# KiCad board z80.kicad_pcb (continued)
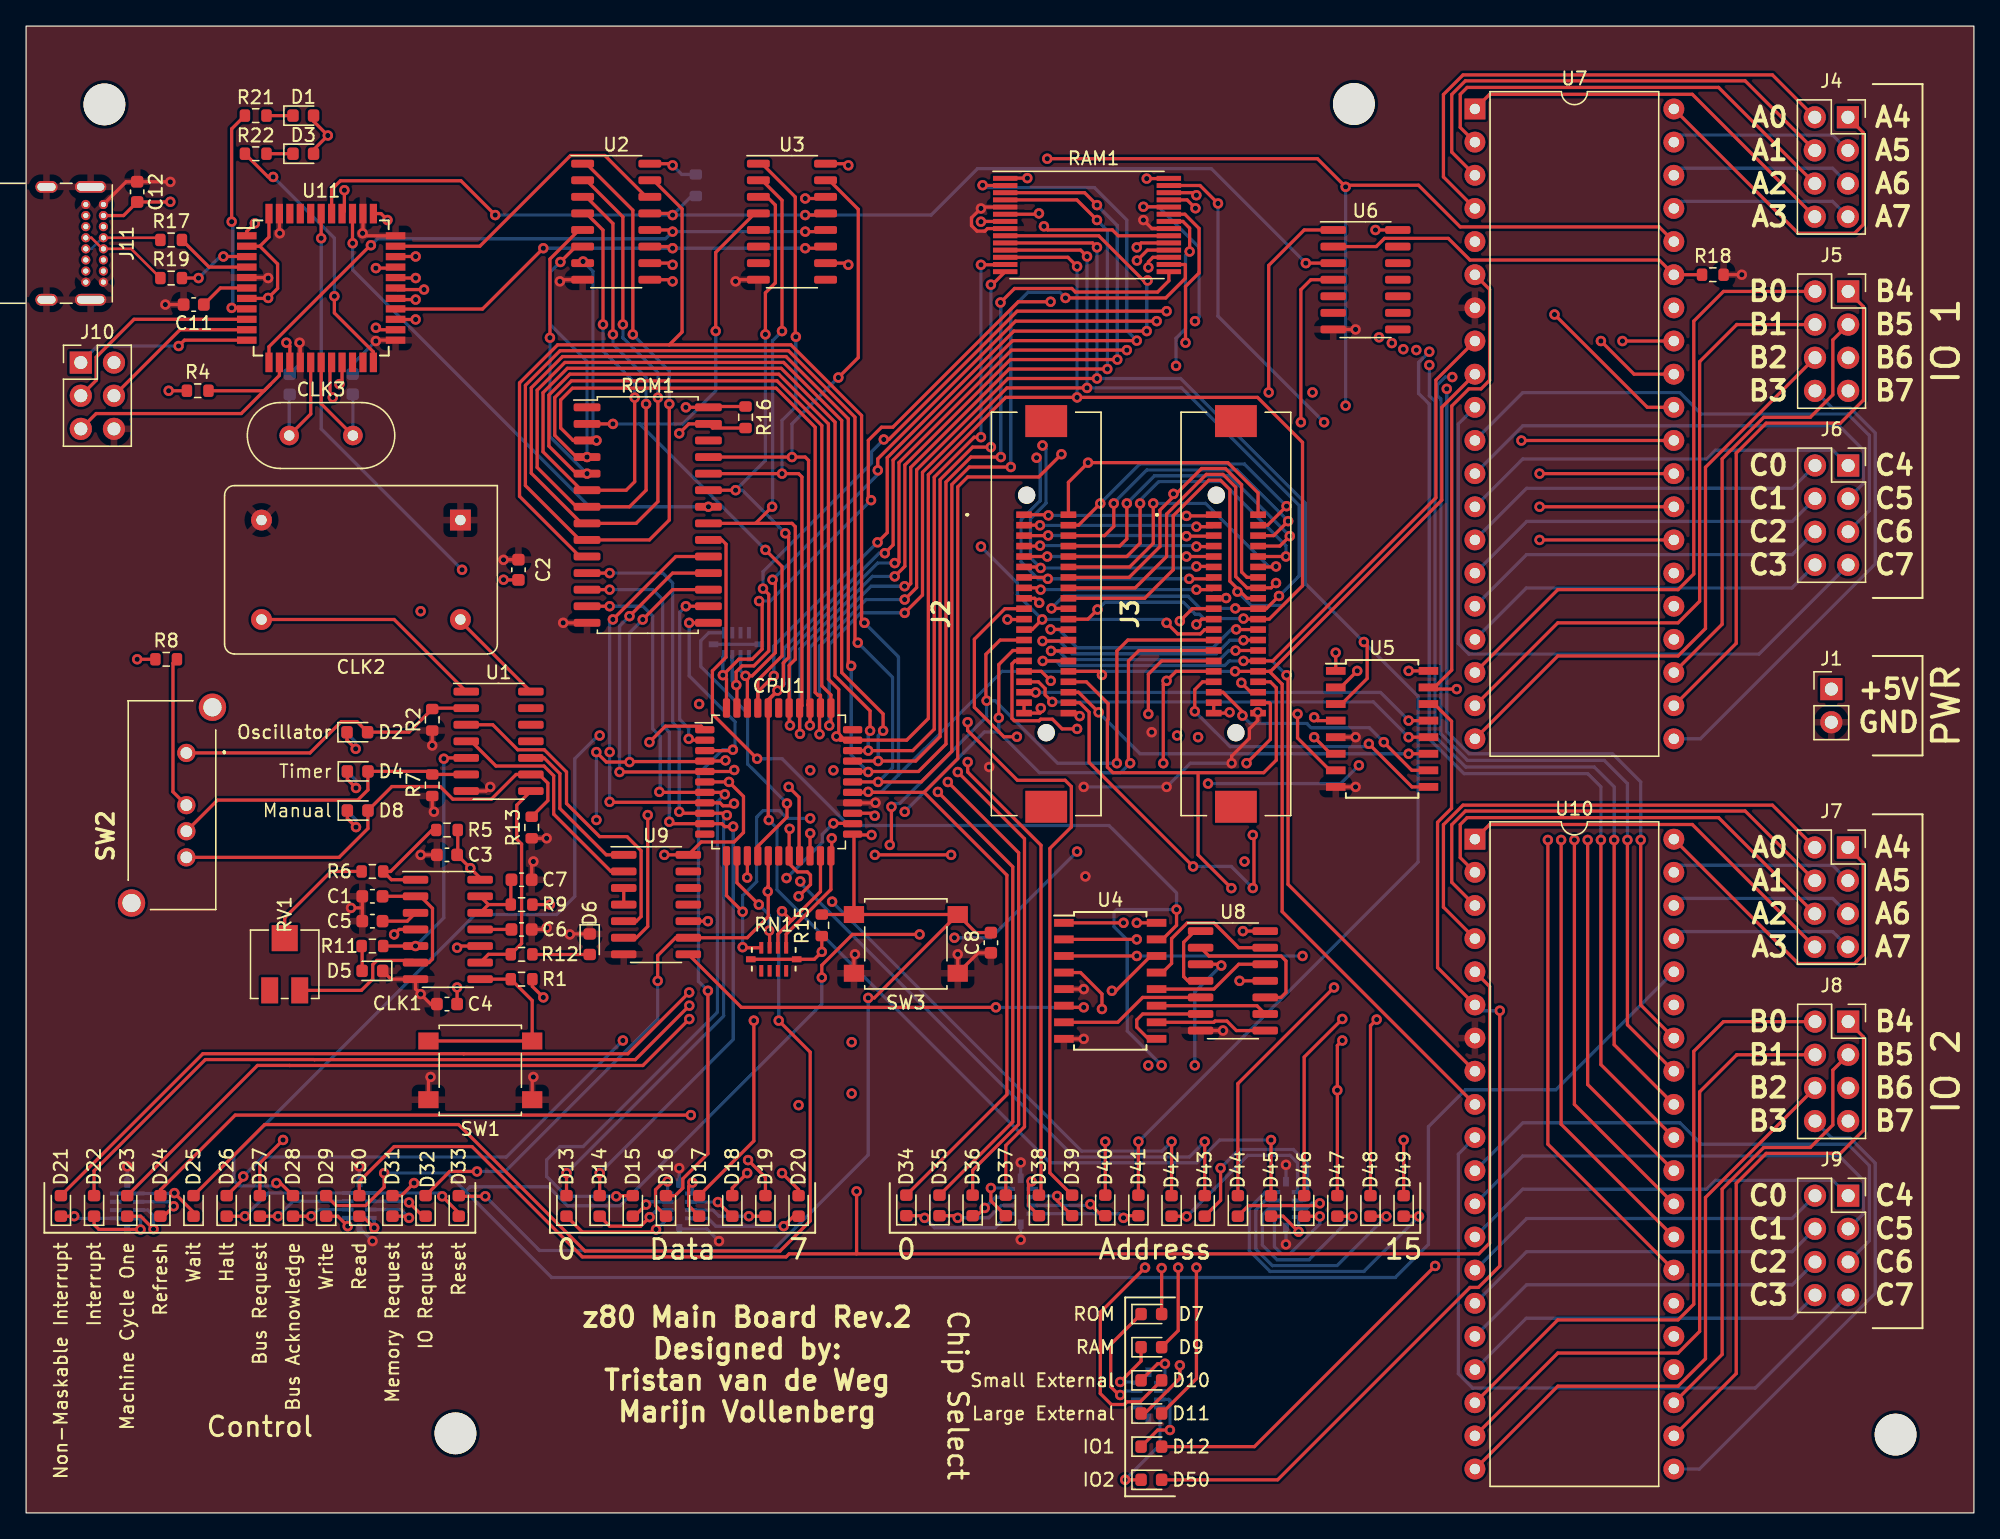
[diagram p0: board, top side]
## Routing (per net, layer and track width the routed paths; a pad name or vN(x,y) marks a point on that pad's centre or on a via; arc(x,y) is an arc through that point) (continued)
/D7: length 300.8
  F.Cu-Address w0.25: v1(78.32,76.43) 78.27,76.48 J2.1 ; v1(44.7,54.48) 44.74,54.45 51.96,54.45 ; RAM1.19 89.46,101.15 v1(89.66,100.96) ; U10.27 116.59,28.25 v1(116.59,51.56) ; U11.29 28.34,94.62 v1(29.84,94.62) ; v1(115.95,74.55) U7.27 ; v1(54.24,54.35) 54.07,54.18 53.38,54.18 53.16,54.41 CPU1.8 ; v1(57.91,26.04) 59.18,24.77 D20.2 ; v1(88.9,76.39) 90.9,76.39 ; v1(44.95,68.46) 49.78,73.28 ROM1.19
  In1.Cu-GND w0.25: v1(44.71,58.3) 44.71,58.29 42.52,56.1 42.52,36.86 54.07,25.31 57.19,25.31 v1(57.91,26.04) ; v1(54.24,54.35) 54.22,54.33 53.23,54.33 52.4,55.16 52.4,60.28 58.07,65.95 66.93,65.95 77.41,76.43 v1(78.32,76.43) ; v1(44.95,68.46) 44.69,68.46 28.31,84.84 28.31,93.08 v1(29.84,94.62) ; v1(103.65,90.07) 103.38,89.8 93.6,89.8 ; 93.6,89.8 93.6,97.02 v1(89.66,100.96) ; 93.6,89.8 91.29,87.49 91.29,80.54 88.9,78.15 v1(88.9,76.39) ; v1(115.95,74.55) 116.59,73.91 v1(116.59,51.56)
  In2.Cu-5V w0.25: v1(115.95,74.55) 112.29,78.21 110.64,78.21 103.65,85.2 v1(103.65,90.07)
  B.Cu-Data w0.25: v1(44.95,68.46) 44.7,68.21 44.7,58.55 ; v1(44.7,54.48) 44.7,58.55 ; 44.7,58.55 44.7,58.3 v1(44.71,58.3) ; v1(78.32,76.43) 88.86,76.43 v1(88.9,76.39)
/EXT-CS: length 83.4
  F.Cu-Address w0.25: J2.37 81.23,63.68 82.89,62.01 82.89,60.8 82.84,60.74 82.84,57.14 83.27,56.72 89.79,56.72 ; 89.79,56.72 89.79,50.42 v1(92.34,47.87) ; 89.79,56.72 94.82,56.72 95.78,57.68 95.78,63.23 95.33,63.68 J3.37 ; v1(91.57,41.94) 91.47,42.04 U8.3 ; D11.2 89.66,10.28 v1(89.66,18.8)
  In1.Cu-GND w0.25: v1(89.66,18.8) 89.66,23.11 89.54,23.24 v1(89.54,34.29)
  In2.Cu-5V w0.25: v1(91.57,41.94) 92.34,42.71 v1(92.34,47.87)
  B.Cu-Data w0.25: v1(91.57,41.94) 89.54,39.91 v1(89.54,34.29)
/EXT-CS2: length 90
  F.Cu-Address w0.25: J3.39 95.24,62.08 95.33,61.99 95.33,59.27 v1(93.5,57.44) ; J2.39 80.71,62.08 81.44,61.35 81.44,57.5 v1(89.41,49.53) ; v1(93.98,51.94) 94.07,51.85 94.07,47.97 v1(93.98,47.88) ; U8.11 v1(92.96,40.77) ; v1(85.73,18.8) 82.3,15.37 82.3,9.14 83.13,8.31 84.13,8.31 84.33,8.51 85.35,8.51 D10.2
  In1.Cu-GND w0.25: v1(85.73,18.8) 85.94,19.01 85.94,34.25 v1(85.97,34.29)
  In2.Cu-5V w0.25: v1(93.98,47.88) 93.94,47.84 93.94,41.75 v1(92.96,40.77) 92.45,40.77 85.97,34.29 v1(85.97,34.29) ; v1(93.98,51.94) 93.98,56.96 v1(93.5,57.44)
  B.Cu-Data w0.25: v1(89.41,49.53) 92.33,49.53 v1(93.98,47.88)
/EXT-IO1-CS: length 31.9
  F.Cu-Address w0.25: U5.13 v1(105.92,60.71) ; v1(77.34,62.87) 76.47,62.87
  B.Cu-Data w0.25: v1(105.92,60.71) 103.76,62.87 v1(77.34,62.87)
/EXT-IO2-CS: length 33
  F.Cu-Address w0.25: U5.12 v1(105.92,59.44) ; J2.17 77.55,63.68 78.07,63.17 78.07,62.69 v1(78.61,62.14)
  B.Cu-Data w0.25: v1(105.92,59.44) 103.21,62.14 78.61,62.14 v1(78.61,62.14)
/EXT-IO3-CS: length 29.5
  F.Cu-Address w0.25: J2.38 80.63,62.88 v1(82.17,61.34) ; U5.11 v1(105.92,58.17)
  B.Cu-Data w0.25: v1(82.17,61.34) 85.34,58.17 v1(105.92,58.17)
/EXT-IO4-CS: length 19.1
  F.Cu-Address w0.25: U5.10 106.16,56.9 104.01,59.05 v1(104.01,59.06) ; J3.18 91.69,62.88 93.19,61.38 v1(93.19,61.09)
  B.Cu-Data w0.25: v1(93.19,61.09) 93.78,60.49 98.12,60.49 98.45,60.16 102.91,60.16 v1(104.01,59.06)
/EXT-IO5-CS: length 23.8
  F.Cu-Address w0.25: v1(89.54,61.42) 89.54,63.08 90.14,63.68 J3.17 ; v1(102.87,58.93) 106.17,55.63 U5.9
  B.Cu-Data w0.25: v1(89.54,61.42) 92.24,58.71 102.65,58.71 v1(102.87,58.93)
/EXT-IO6-CS: length 12.2
  F.Cu-Address w0.25: 99.89,56.9 97.41,59.37 v1(97.41,61.21) ; v1(93.1,63.6) 93.83,62.88 J3.38
  In2.Cu-5V w0.25: v1(97.41,61.21) 95.02,63.6 v1(93.1,63.6)
/FstClk: length 18
  F.Cu-Address w0.25: CLK2.8 28.2,68.45 U1.1
/FstOUT: length 25.3
  F.Cu-Address w0.25: U9.5 46.76,45.34 47.12,45.7 47.12,50.74 46.04,51.82 43.94,51.82 41.4,54.36 41.4,56.77 39.7,58.47 37.66,58.47 35.75,60.39 U1.3
/HALT: length 54.2
  F.Cu-Address w0.25: CPU1.14 55.26,48.69 v1(55.24,48.68) ; v1(16.64,25.78) 16.64,25.58 D26.2
  In2.Cu-5V w0.25: v1(45.72,36.2) 46.23,36.2 49.53,39.5 49.53,43.66 54.55,48.68 v1(55.24,48.68)
  B.Cu-Data w0.25: v1(16.64,25.78) 18.12,27.27 36.79,27.27 v1(45.72,36.2)
/INT: length 138.5
  F.Cu-Address w0.25: v1(54.89,46.06) 53.66,47.3 CPU1.12 ; J2.14 75.6,66.08 74.52,65 v1(74.52,60.92) ; v1(54.89,43.34) 54.94,43.3 RN1.5 ; v1(50.81,38.87) 46.68,34.73 22.1,34.73 22.1,34.73 13.73,34.73 5.21,26.21 D22.2 ; v1(84.58,57.44) 84.45,57.57 84.45,65.28 85.26,66.08 J3.14
  In1.Cu-GND w0.25: v1(61.85,56.9) 61.85,55.56 64.74,52.67 66.26,52.67 v1(67.31,53.72) ; v1(60.07,53.21) v1(60.07,56.9)
  In2.Cu-5V w0.25: v1(60.07,56.9) v1(61.85,56.9) ; v1(54.89,43.34) 54.89,41.64 52.12,38.87 v1(50.81,38.87)
  B.Cu-Data w0.25: v1(54.89,43.34) v1(54.89,46.06) 54.89,47.3 55.97,48.38 55.97,53.3 56.48,53.81 57.7,53.81 58.29,53.21 v1(60.07,53.21) ; 74.52,59.83 73.41,59.83 67.31,53.73 v1(67.31,53.72) ; 74.52,59.83 v1(74.52,60.92) ; 74.52,59.83 77.63,56.72 83.87,56.72 84.58,57.43 v1(84.58,57.44)
/IO1-CS: length 108
  F.Cu-Address w0.25: v1(107.95,18.92) 94.1,5.08 D12.2 ; v1(109.6,63.12) 107.56,63.12 ; 107.89,63.25 109.22,64.58 109.22,84.81 110.53,86.12 111.46,86.12 112.12,86.78 112.12,93.74 U7.6
  In2.Cu-5V w0.25: v1(107.95,18.92) 109.6,20.57 v1(109.6,63.12)
/IO2-CS: length 79
  F.Cu-Address w0.25: v1(112.9,38.48) 112.9,18.91 111.27,17.28 110.62,17.28 95.88,2.54 D50.2 ; 107.89,61.98 109.21,60.66 109.21,53.99 108.14,52.92 108.14,41.78 U10.6
  B.Cu-Data w0.25: v1(112.9,38.48) 111.44,38.48
/IOREQ: length 64.7
  F.Cu-Address w0.25: v1(81.03,38.74) 79.64,38.74 ; v1(74.3,38.74) 54.8,38.74 U9.8 ; v1(98.68,60.96) 98.93,60.71 U5.4
  In1.Cu-GND w0.25: v1(98.68,60.96) 81.75,44.03 81.75,39.46 v1(81.03,38.74)
  B.Cu-Data w0.25: v1(74.3,38.74) v1(81.03,38.74)
/IORQ: length 109.3
  F.Cu-Address w0.25: J2.10 74.98,69.28 72.65,66.94 72.65,61.73 74.91,59.47 v1(75.91,59.47) ; D32.2 32.46,26.16 v1(34.54,26.16) ; 56.86,48.01 56.86,45.68 55.24,44.07 U9.9 49.76,44.07 48.39,42.7 v1(48.39,40.77) ; 56.86,48.01 CPU1.16 ; 56.86,48.01 56.82,47.97 v1(56.82,47.61) ; v1(88.39,68.33) 89.35,69.28 J3.10
  In1.Cu-GND w0.25: v1(56.82,47.61) 57.43,47.61 58.93,46.11 62.55,46.11 72.48,56.04 74.32,56.04 75.91,57.63 v1(75.91,59.47) ; v1(88.39,68.33) 88.18,68.11 v1(88.18,59.56)
  In2.Cu-5V w0.25: v1(88.18,59.56) 88.18,58.59 87.76,58.17 77.21,58.17 v1(75.91,59.47)
  B.Cu-Data w0.25: v1(34.54,26.16) 36.71,26.16 48.39,37.84 v1(48.39,40.77)
/M1: length 71.4
  F.Cu-Address w0.25: v1(50.81,37.84) 47.25,34.28 20.19,34.28 20.19,34.28 17.72,34.28 D23.2 ; v1(61.85,52.83) 63.3,52.83
  In2.Cu-5V w0.25: v1(58.26,48.64) 56.45,48.64 54.17,46.36 54.17,45.76 50.08,41.67 50.08,38.58 50.82,37.84 v1(50.81,37.84)
  B.Cu-Data w0.25: v1(58.26,48.64) 61,51.38 61,51.99 61.84,52.83 v1(61.85,52.83)
/ManClk: length 16.1
  F.Cu-Address w0.25: CLK1.9 35.42,42.8 37.14,42.8 37.96,43.62 37.96,51.25 37.59,51.61 37.59,54.23 U1.8
/ManOUT: length 11.8
  F.Cu-Address w0.25: U1.10 39.69,57.85 40.89,56.64 40.89,53.98 44.45,50.42 U9.1
/MISO: length 13.4
  F.Cu-Address w0.25: v1(11.68,89.41) 12.13,89.85 U11.11
  B.Cu-Data w0.25: J10.1 5.46,89.41 v1(11.68,89.41)
/MOSI: length 12.3
  F.Cu-Address w0.25: U11.10 11.79,90.65 J10.4
/MREQ: length 179.4
  F.Cu-Address w0.25: v1(82.42,38.61) 82.42,39.76 80.78,41.4 U4.4 ; D31.2 28.75,24.31 v1(29.72,25.27) ; v1(58.29,54.36) 58.29,53.32 56.06,51.08 CPU1.15 ; J3.11 90.07,68.48 v1(89.66,68.07) ; v1(65.02,50.42) v1(70.87,50.42) ; v1(75.18,68.45) 76.43,68.45 ; 99.95,58.17 v1(98.68,59.44)
  In1.Cu-GND w0.25: v1(89.66,68.07) 88.81,67.22 88.81,60.42 v1(89.79,59.44) 89.1,58.74 77.65,58.74 ; v1(82.42,38.61) 81.92,38.61 67.19,23.88 58.92,23.88 56.76,21.72 50.43,21.72 46.87,25.27 v1(29.72,25.27) ; v1(70.87,50.42) 70.87,51.96 77.65,58.74 ; 77.65,58.74 75.18,61.21 v1(75.18,68.45)
  In2.Cu-5V w0.25: v1(98.68,59.44) 97.99,58.74 90.48,58.74 v1(89.79,59.44) ; v1(70.87,50.42) 71.88,50.42 82.42,39.88 v1(82.42,38.61) ; v1(65.02,50.42) 64.05,51.4 64.05,51.66 61.35,54.36 v1(58.29,54.36)
  B.Cu-Data w0.25: v1(58.29,54.36) 55.28,57.37 55.28,61.25 51.69,64.85 51.69,66.83 52.3,67.44 RN2.2
/NMI: length 140.4
  F.Cu-Address w0.25: RN1.4 56.96,44.58 v1(56.92,44.61) ; D21.2 13.54,35.18 33.52,35.18 33.53,35.18 46.1,35.18 v1(50.8,39.88) ; v1(80.52,60.07) 79.38,60.07 78.63,60.81 77.73,60.81 77.61,60.7 75.7,60.7 75.53,60.87 75.53,65.05 75.75,65.28 J2.15 ; CPU1.13 54.46,48.29 v1(56.13,46.61) ; v1(85.98,61.21) 85.98,64.26 87,65.28 J3.15
  In1.Cu-GND w0.25: v1(56.92,44.61) 57.72,43.82 63.75,43.82 64.01,43.56 64.05,43.6 70.65,43.6 v1(71.12,44.07) ; v1(80.52,60.07) 84.84,60.07 v1(85.98,61.21)
  In2.Cu-5V w0.25: v1(80.52,60.07) 79.77,60.81 76.18,60.81 75.18,59.81 75.18,56.01 v1(80.52,50.67) ; v1(56.92,44.61) 55.14,44.61 50.8,40.28 v1(50.8,39.88)
  B.Cu-Data w0.25: v1(71.12,44.07) 73.91,44.07 v1(80.52,50.67) ; v1(56.13,46.61) 56.92,45.82 v1(56.92,44.61)
/PROG-OE: length 90
  F.Cu-Address w0.25: v1(35.94,99.44) 33.31,102.07 24.08,102.07 23.41,101.39 U11.38 ; v1(49.53,99.44) 49.4,99.57 U2.13 ; v1(98.04,95.76) U6.3 ; v1(59.69,99.44) 61.12,99.44
  B.Cu-Data w0.25: v1(98.04,95.76) 90.8,103 72.89,103 69.33,99.44 v1(59.69,99.44) v1(49.53,99.44) ; R20.1 50.99,100.9 v1(49.53,99.44) ; v1(49.53,99.44) v1(35.94,99.44)
/PROG-WR: length 41
  F.Cu-Address w0.25: R16.2 52.59,83.12 ROM1.27 50.76,83.44 v1(50.04,82.71) ; U11.37 24.38,99.73 v1(24.38,101.35)
  In2.Cu-5V w0.25: v1(50.04,82.71) 48.34,82.71 40.86,90.19 40.86,90.59 30.1,101.35 v1(24.38,101.35)
/ProgReset: length 22.8
  F.Cu-Address w0.25: J10.5 5.37,84.23 16.49,84.23 18.7,86.45 ; U11.13 19.41,87.15 18.7,86.45 ; 18.7,86.45 18.23,85.98 R4.2
/RAM1-CS: length 109.9
  F.Cu-Address w0.25: RAM1.20 89.94,101.7 v1(91.31,100.33) ; v1(88.27,18.8) 88.27,13.97 D9.2 ; 86.16,42.67 83.49,40.01 v1(83.18,40.01)
  In1.Cu-GND w0.25: v1(99.44,83.57) 99.44,56.01 v1(93.35,49.91)
  In2.Cu-5V w0.25: v1(88.27,18.8) 88.27,19.44 81.95,25.75 81.95,36.36 83.18,37.59 v1(83.18,40.01) 83.45,40.01 93.35,49.9 v1(93.35,49.91)
  B.Cu-Data w0.25: v1(99.44,83.57) 91.31,91.69 v1(91.31,100.33)
/RCLK: length 49.2
  F.Cu-Address w0.25: v1(59.69,98.17) 61.12,98.17 ; U2.12 49.4,98.3 v1(49.53,98.17) ; v1(26.42,97.13) 26.38,97.13 18.61,89.35 U11.12
  B.Cu-Data w0.25: v1(59.69,98.17) v1(49.53,98.17) 48.98,97.63 26.91,97.63 v1(26.42,97.13)
/RD: length 332
  F.Cu-Address w0.25: v1(76.71,102.27) 75.03,102.27 ; 58.46,49.75 59.1,49.11 59.85,49.11 60.09,48.87 60.09,48.15 59.19,47.24 v1(59.18,47.24) ; CPU1.18 58.46,52.38 v1(58.49,52.41) ; D30.2 25.53,25.4 28.19,28.07 34.16,28.07 42.61,19.62 58.22,19.62 58.46,19.85 63.63,19.85 ; J2.12 77.07,67.68 v1(77.85,68.46) ; U11.36 25.01,97.3 v1(25.02,97.28) ; 63.63,19.85 111.3,19.85 112.12,20.67 112.12,40.34 U10.5 ; 63.63,19.85 v1(63.63,24.64) ; v1(87.38,68.2) 88.23,67.35 89.96,67.35 90.29,67.68 J3.12
  In1.Cu-GND w0.25: v1(59.18,31.24) 59.18,29.08 v1(63.63,24.64) ; v1(51.56,61.98) 51.56,54.1 53.8,51.86 57.94,51.86 v1(58.49,52.41)
  In2.Cu-5V w0.25: 68.87,78.32 v1(73.15,74.04) ; 68.87,78.32 68.87,85.94 80.63,97.69 88.43,97.69 89.8,99.06 109.35,99.06 U7.5 ; 68.87,78.32 57.36,78.32 56.12,77.09 v1(52.27,77.09) 51.56,76.38 v1(51.56,61.98) ; v1(59.18,47.24) v1(59.18,31.24) ; 76.71,93.77 v1(76.71,102.27)
  B.Cu-Data w0.25: v1(25.02,97.28) 25.02,95.24 43.17,77.09 v1(52.27,77.09) ; v1(87.38,68.2) 87.12,68.46 v1(77.85,68.46) 75.95,70.36 75.95,71.25 v1(73.15,74.04)
/RFSH: length 83.5
  F.Cu-Address w0.25: v1(50.93,30.48) 16.02,30.48 10.29,24.75 D24.2 ; CPU1.25 64.82,53.61 v1(65.01,53.42)
  In2.Cu-5V w0.25: v1(65.01,53.42) 70.23,48.2 70.23,41.01 59.7,30.48 v1(50.93,30.48)
/ROM1-CS: length 97.3
  F.Cu-Address w0.25: v1(88.14,46.23) 88.14,45.02 87.06,43.94 ; v1(56.01,57.79) 52.58,61.21 52.58,64.52 53.63,65.56 53.63,74.22 53.3,74.55 ROM1.20 ; D7.2 v1(86.99,18.76)
  In1.Cu-GND w0.25: v1(86.99,18.76) v1(86.99,34.29)
  B.Cu-Data w0.25: v1(56.01,57.79) 57.92,57.79 63.04,52.67 82.97,52.67 88.14,47.5 v1(88.14,46.23) 83.57,46.23 83.35,46.01 83.35,44.91 84.36,43.9 84.36,36.92 v1(86.99,34.29)
/RST: length 155.2
  F.Cu-Address w0.25: SW3.2 72.76,44.46 C8.2 ; SW3.2 SW3.2 ; SW3.2 64.99,39.46 v1(64.52,39.46) ; SW3.2 63.42,51.9 ; SW3.2 R15.1 ; v1(91.93,70.1) 91,70.1 ; v1(35.18,24.26) 33.2,24.26 ; J2.9 77.27,70.08 v1(77.62,69.73) ; v1(95.2,85.85) 95.2,95.58 97.92,98.3 U6.1 ; v1(64.77,51.94) 63.38,51.94
  In1.Cu-GND w0.25: v1(95.2,85.85) 95.2,74 91.93,70.73 v1(91.93,70.1) 91.85,70.01 78.87,70.01 78.86,70.03 77.92,70.03 v1(77.62,69.73) 77.61,69.72 73.79,69.72 72.86,68.8 72.86,57.22 67.58,51.94 v1(64.77,51.94)
  B.Cu-Data w0.25: v1(35.18,24.26) 39.33,20.1 57.2,20.1 64.52,27.42 v1(64.52,39.46)
/RST-INV: length 86.9
  F.Cu-Address w0.25: U6.2 103.44,97.03 104.07,97.65 108.96,97.65 110.62,95.99 125.11,95.99 U7.35 R18.1
  In2.Cu-5V w0.25: U10.35 124.66,40.5 124.66,93.29 U7.35
/SER: length 23.7
  F.Cu-Address w0.25: U2.14 47.51,100.84 44.34,104 41.71,104 34.76,97.05 U11.32
/SPISCK: length 16.2
  F.Cu-Address w0.25: U11.9 8.27,91.45 5.37,88.55 5.37,86.77 J10.3
/SRCLK: length 36.5
  F.Cu-Address w0.25: v1(59.69,96.9) 61.12,96.9 ; v1(39.62,96.9) 34.96,92.24 28.32,92.24 U11.26 ; U2.11 49.4,97.03 v1(49.53,96.9)
  B.Cu-Data w0.25: v1(59.69,96.9) v1(49.53,96.9) v1(39.62,96.9)
/USB-D+: length 6.1
  F.Cu-Address w0.2: 10.29,97.54 10.12,97.7 J11.A6
  B.Cu-Data w0.2: J11.B6 5,96.85 5.85,97.7 J11.A6
/USB-D-: length 7
  F.Cu-Address w0.2: 10.29,94.62 8.05,96.85 J11.A7 5.85,96.85 5,97.7 J11.B7
/WAIT: length 145.6
  F.Cu-Address w0.25: J2.16 77.78,64.48 v1(78.5,63.75) ; 58.7,45.44 60.86,47.6 CPU1.21 ; 58.7,45.44 57.59,44.34 RN1.3 ; 58.7,45.44 58.57,45.44 v1(57.91,46.1) ; v1(57.66,37.72) 60.07,35.31 60.07,22.37 57.77,20.07 42.82,20.07 33.13,29.76 18.27,29.76 D25.2 ; v1(87.12,57.44) 87.12,63.5 v1(87.38,63.75) 88.1,64.48 J3.16
  In1.Cu-GND w0.25: v1(87.38,63.75) 86.2,64.93 79.68,64.93 v1(78.5,63.75) ; v1(57.91,46.1) 58.35,45.66 63.82,45.66 66.67,48.51 77.33,48.51 86.26,57.44 v1(87.12,57.44)
  B.Cu-Data w0.25: v1(57.91,46.1) 57.66,45.85 v1(57.66,37.72)
/WR: length 452.6
  F.Cu-Address w0.25: v1(60.96,41.02) 60.96,41.96 63.32,44.32 v1(68.45,44.32) ; D29.2 23.75,23.55 26.01,23.55 27.43,24.96 v1(27.43,26.04) ; v1(77.6,99.57) 77.53,99.5 RAM1.27 ; 59.22,50.38 59.22,54.83 v1(58.42,55.63) ; v1(83.57,57.44) 83.57,66.04 84.4,66.88 J3.13 ; J2.13 74.63,66.88 73.53,65.79 73.53,62.28 v1(73.59,62.23) ; v1(66.29,54.1) 66.29,51.31 v1(66.17,51.18) ; v1(78.23,103.76) 98.93,103.76 v1(101.09,101.6) 101.22,101.73 106.68,101.73 109.87,98.53 125.11,98.53 U7.36
  In1.Cu-GND w0.25: v1(83.57,57.44) 83.57,57.45 84.28,58.17 88.26,58.17 v1(90.55,55.88) ; v1(101.09,84.84) 101.09,58.29 v1(102.11,57.28) 109.85,57.28 125.66,41.46 ; U7.36 127.36,96.28 127.36,42.59 U10.36
  In2.Cu-5V w0.25: 66.26,51.53 68.45,49.34 v1(68.45,44.32) ; 66.26,51.53 66.26,51.28 v1(66.17,51.18) ; 66.26,51.53 65.1,52.69 64.71,52.69 61.78,55.63 v1(58.42,55.63) ; v1(78.23,103.76) 78.23,100.2 v1(77.6,99.57)
  B.Cu-Data w0.25: v1(27.43,26.04) 32.26,26.04 33.66,24.64 ; v1(60.96,41.02) 60.96,38.98 45.51,23.53 41.49,23.53 40.04,24.98 34,24.98 33.66,24.64 ; U10.36 117.2,32.43 110.28,32.43 107.44,29.59 107.44,20.57 104.9,18.03 40.26,18.03 33.66,24.64 ; v1(101.09,84.84) v1(101.09,101.6) ; v1(90.55,55.88) 100.71,55.88 v1(102.11,57.28) ; v1(83.57,57.44) 79.03,57.44 74.24,62.23 v1(73.59,62.23) 73.59,61.01 66.93,54.36 66.55,54.36 v1(66.29,54.1)
Clock: length 21.2
  F.Cu-Address w0.25: CPU1.1 51.72,60.28 48.98,60.28 v1(47.75,59.06) ; v1(47.63,53.47) 47.63,44.93 46.76,44.07 U9.6
  In1.Cu-GND w0.25: v1(47.63,53.47) 47.63,58.93 v1(47.75,59.06)
Net-(CLK1A-CV): length 2.8
  F.Cu-Address w0.25: CLK1.3 29.2,45.34 C5.1
Net-(CLK1A-DIS): length 8.1
  F.Cu-Address w0.25: CLK1.1 27.99,48.51 R6.2 27.93,49.15 31.11,52.32 R5.2
Net-(CLK1A-THR): length 19.4
  F.Cu-Address w0.25: CLK1.6 30.86,42.16 31.14,42.44 31.14,46.32 30.21,47.24 ; 29.67,42.33 26.87,42.33 26.56,42.01 26.56,40.91 25.69,40.04 RV1.1 ; CLK1.2 C1.1
Net-(CLK1B-CV): length 2.4
  F.Cu-Address w0.25: C6.1 CLK1.11
Net-(CLK1B-DIS): length 5.4
  F.Cu-Address w0.25: 35.42,46.61 CLK1.12 ; 35.42,46.61 CLK1.13 ; 35.42,46.61 37.14,46.61 37.14,48.46
Net-(CLK1B-TR): length 15.7
  F.Cu-Address w0.25: CLK1.8 37.14,40.89 38.77,39.26 SW1.2 SW1.2
Net-(D1-K): length 2
  F.Cu-Address w0.25: R21.1 D1.1
Net-(D2-A): length 23.4
  F.Cu-Address w0.25: SW2.1 21.75,58.23 24.14,60.62 25.36,60.62 D2.2 29.34,59.82 R2.2 ; U1.2 31.18,61.66
Net-(D2-K): length 3.1
  F.Cu-Address w0.25: v1(25.25,58.54) 24.59,59.21 D2.1
  B.Cu-Data w0.25: v1(25.25,58.54) 25.25,59.07 24.55,59.77
Net-(D3-K): length 2
  F.Cu-Address w0.25: D3.1 R22.1
Net-(D4-A): length 23.9
  F.Cu-Address w0.25: 30.88,56.82 D4.2 26.19,55.4 25.41,54.62 14.66,54.62 SW2.3 ; R7.2 U1.6
Net-(D4-K): length 3.1
  F.Cu-Address w0.25: D4.1 24.61,56.21 v1(25.27,55.55)
  B.Cu-Data w0.25: v1(25.27,55.55) 25.27,56.12 R10.1
Net-(D5-A): length 1.9
  F.Cu-Address w0.25: D5.2 25.74,43.4
Net-(D6-A): length 4.4
  F.Cu-Address w0.25: D6.2 38.8,42.79
Net-(D7-K): length 8.9
  F.Cu-Address w0.25: D7.1 83.1,12.91 83.1,9.67 83.73,9.03 v1(83.82,9.03)
  B.Cu-Data w0.25: v1(83.82,9.03) 84.12,9.33 RN8.4
Net-(D8-A): length 34.7
  F.Cu-Address w0.25: U1.9 37.54,56.58 35.64,54.68 32.69,54.68 31.72,55.65 28.03,55.65 D8.2 26.19,52.43 23.98,50.23 SW2.4 ; 39.31,56.58 39.97,55.92 39.97,54.57 R13.2
Net-(D8-K): length 3.1
  F.Cu-Address w0.25: v1(25.27,52.55) 24.61,53.21 D8.1
  B.Cu-Data w0.25: v1(25.27,52.55) 25.27,53.12 R14.1
Net-(D9-K): length 4.6
  F.Cu-Address w0.25: D9.1 85.42,11.63 v1(83.82,10.03)
  B.Cu-Data w0.25: RN8.5 85.03,10.03 v1(83.82,10.03)
Net-(D10-K): length 4
  F.Cu-Address w0.25: v1(87.25,11.43) 86.69,11.43 D10.1
  B.Cu-Data w0.25: v1(87.25,11.43) 87.25,10.36 RN8.6
Net-(D11-K): length 7.8
  F.Cu-Address w0.25: 85.71,7.62 88.39,10.3 v1(88.39,11.3)
  B.Cu-Data w0.25: v1(88.39,11.3) 88.39,10.25 87.47,9.33 RN8.7
Net-(D12-K): length 5.8
  F.Cu-Address w0.25: D12.1 86.69,6.35 v1(87.63,6.35)
  B.Cu-Data w0.25: v1(87.63,6.35) 87.63,8.62 87.56,8.7 RN8.8
Net-(D13-K): length 8.7
  F.Cu-Address w0.25: v1(48.26,21.72) 48.06,21.52 42.61,21.52 D13.1
  B.Cu-Data w0.25: v1(48.26,21.72) 48.3,21.72 RN3.2
Net-(D14-K): length 6
  F.Cu-Address w0.25: D14.1 44.7,21.97 47.08,21.97 v1(47.77,22.66)
  B.Cu-Data w0.25: v1(47.77,22.66) 48.31,23.2 RN3.3
Net-(D15-K): length 3
  F.Cu-Address w0.25: 46.61,22.73 v1(47.5,23.62)
  B.Cu-Data w0.25: RN3.4 47.71,23.84 v1(47.5,23.62)
Net-(D16-K): length 4.5
  F.Cu-Address w0.25: D16.1 48.22,23.53 48.22,24.76 48.86,25.4 v1(49.15,25.4)
  B.Cu-Data w0.25: v1(49.15,25.4) 49.15,24.48
Net-(D17-K): length 3.9
  F.Cu-Address w0.25: D17.1 50.76,23.53 50.76,25.02 v1(51.04,25.31)
  B.Cu-Data w0.25: RN3.6 51.04,24.6 v1(51.04,25.31)
Net-(D18-K): length 3.6
  F.Cu-Address w0.25: 54.08,22.73 v1(53,23.82)
  B.Cu-Data w0.25: v1(53,23.82) 50.94,23.82
Net-(D19-K): length 5.9
  F.Cu-Address w0.25: D19.1 v1(55.37,22.73)
  B.Cu-Data w0.25: RN3.8 52.62,23.2 53.09,22.73 v1(55.37,22.73)
Net-(D20-K): length 8.8
  F.Cu-Address w0.25: v1(58.04,21.97) 58.8,22.73 D20.1
  B.Cu-Data w0.25: RN3.9 52.23,22.57 52.83,21.97 v1(58.04,21.97)
Net-(D21-K): length 4.3
  F.Cu-Address w0.25: D21.1 v1(3.68,22.73)
  B.Cu-Data w0.25: RN4.6 3.85,22.57 v1(3.68,22.73)
Net-(D22-K): length 5.3
  F.Cu-Address w0.25: v1(8.76,21.72) 5.58,21.72 5.21,22.09 D22.1
  B.Cu-Data w0.25: v1(8.76,21.72) 8.76,22.43 RN4.5
Net-(D23-K): length 4.8
  F.Cu-Address w0.25: D23.1 8.77,22.73 9.76,21.74 v1(9.76,21.74)
  B.Cu-Data w0.25: v1(9.76,21.74) 9.76,22.76 9.32,23.2 RN4.4
Net-(D24-K): length 3.9
  F.Cu-Address w0.25: 10.54,22.73 v1(11.3,23.5)
  B.Cu-Data w0.25: RN4.3 10.96,23.84 v1(11.3,23.5)
Net-(D25-K): length 4.8
  F.Cu-Address w0.25: 12.83,23.04 v1(11.36,24.5)
  B.Cu-Data w0.25: v1(11.36,24.5) 11.33,24.47 RN4.2
Net-(D26-K): length 10
  F.Cu-Address w0.25: D26.1 v1(16.76,22.73)
  B.Cu-Data w0.25: RN5.9 18.54,24.51 v1(16.76,22.73)
Net-(D27-K): length 7.2
  F.Cu-Address w0.25: D27.1 v1(19.3,22.73)
  B.Cu-Data w0.25: RN5.8 20.45,23.88 v1(19.3,22.73)
Net-(D28-K): length 4.4
  F.Cu-Address w0.25: D28.1 v1(21.84,22.73)
  B.Cu-Data w0.25: v1(21.84,22.73) 22.35,23.24 RN5.7
Net-(D29-K): length 2.6
  F.Cu-Address w0.25: v1(24.64,21.97) 23.88,22.73 D29.1
  B.Cu-Data w0.25: v1(24.64,21.97) 24.64,22.59
Net-(D30-K): length 2.1
  F.Cu-Address w0.25: 25.78,22.73 v1(26.67,21.84)
  B.Cu-Data w0.25: RN5.5 26.67,22.35 v1(26.67,21.84)
Net-(D31-K): length 4.5
  F.Cu-Address w0.25: v1(29.34,22.61) 29.21,22.73 D31.1
  B.Cu-Data w0.25: v1(29.34,22.61) 28.7,23.24 RN5.4
Net-(D32-K): length 4.4
  F.Cu-Address w0.25: 30.39,22.73 v1(29.34,23.79)
  B.Cu-Data w0.25: v1(29.34,23.79) 29.25,23.88 RN5.3
Net-(D33-K): length 7.4
  F.Cu-Address w0.25: 33.15,22.99 v1(31.88,24.26)
  B.Cu-Data w0.25: v1(31.88,24.26) 31.62,24.51 RN5.2
Net-(D34-K): length 8.7
  F.Cu-Address w0.25: v1(68.83,22.61) 68.67,22.77 D34.1
  B.Cu-Data w0.25: RN6.2 74.24,21.84 69.6,21.84 v1(68.83,22.61)
Net-(D35-K): length 5.8
  F.Cu-Address w0.25: D35.1 71.21,22.77 v1(71.37,22.61)
  B.Cu-Data w0.25: RN6.3 74.71,23.56 73.75,22.61 v1(71.37,22.61)
Net-(D36-K): length 3.1
  F.Cu-Address w0.25: 72.84,22.77 v1(73.44,23.37)
  B.Cu-Data w0.25: RN6.4 74.26,24.19 v1(73.44,23.37)
Net-(D37-K): length 4
  F.Cu-Address w0.25: v1(73.91,24.89) 73.91,23.91 D37.1
  B.Cu-Data w0.25: RN6.5 75.25,24.89 v1(73.91,24.89)
Net-(D38-K): length 3.7
  F.Cu-Address w0.25: v1(77.03,25.4) 76.8,25.17 76.8,23.57 D38.1
  B.Cu-Data w0.25: RN6.6 77.03,24.88 v1(77.03,25.4)
Net-(D39-K): length 3.9
  F.Cu-Address w0.25: D39.1 78.99,23.91 v1(78.99,24.28)
  B.Cu-Data w0.25: v1(78.99,24.28) 77.17,24.28 RN6.7
Net-(D40-K): length 5.7
  F.Cu-Address w0.25: 82.41,22.77 v1(81.53,23.65)
  B.Cu-Data w0.25: v1(81.53,23.65) 81.44,23.56 RN6.8
Net-(D41-K): length 8.3
  F.Cu-Address w0.25: D41.1 84.24,22.77 v1(84.07,22.61)
  B.Cu-Data w0.25: v1(84.07,22.61) 83.76,22.92 RN6.9
Net-(D42-K): length 14.1
  F.Cu-Address w0.25: D42.1 88.9,22.73 v1(88.91,22.72)
  B.Cu-Data w0.25: RN7.2 97.4,26.83 96.83,27.4 93.59,27.4 v1(88.91,22.72)
Net-(D43-K): length 15.4
  F.Cu-Address w0.25: v1(91.51,26.42) 91.51,23.95 D43.1
  B.Cu-Data w0.25: RN7.3 97.97,23.94 98.17,24.14 98.17,26.76 97.08,27.85 92.94,27.85 v1(91.51,26.42)
Net-(D44-K): length 8.6
  F.Cu-Address w0.25: D44.1 93.65,23.55 98.94,23.55 v1(99.11,23.72)
  B.Cu-Data w0.25: v1(99.11,23.72) 98.51,23.72 98.1,23.3 RN7.4
Net-(D45-K): length 3.8
  F.Cu-Address w0.25: D45.1 96.3,22.73 v1(97.49,21.54)
  B.Cu-Data w0.25: v1(97.49,21.54) 97.49,22.58 RN7.5
Net-(D46-K): length 8.7
  F.Cu-Address w0.25: D46.1 99.1,22.73 v1(99.11,22.72)
  B.Cu-Data w0.25: v1(99.11,22.72) 99.11,22.14 96.82,19.85 96.18,19.85 95.64,20.39 RN7.6
Net-(D47-K): length 13.3
  F.Cu-Address w0.25: D47.1 101.6,22.73 v1(101.61,22.72)
  B.Cu-Data w0.25: RN7.7 95.2,23.3 94.71,22.82 94.71,20.52 95.83,19.4 98.29,19.4 v1(101.61,22.72)
Net-(D48-K): length 18
  F.Cu-Address w0.25: v1(104.21,22.72) 104.2,22.73 D48.1
  B.Cu-Data w0.25: RN7.8 94.94,23.94 94.21,23.21 94.21,20.22 95.48,18.95 100.44,18.95 v1(104.21,22.72)
Net-(D49-K): length 22.3
  F.Cu-Address w0.25: D49.1 106.7,22.73 v1(106.71,22.72)
  B.Cu-Data w0.25: RN7.9 94.94,24.57 93.71,23.34 93.71,20.08 95.29,18.5 102.49,18.5 v1(106.71,22.72)
Net-(D50-K): length 7.8
  F.Cu-Address w0.25: v1(84.2,2.54) 84.2,2.54 D50.1
  B.Cu-Data w0.25: RN8.9 86.86,5.2 v1(84.2,2.54)
Net-(J4-Pin_1): length 27.4
  F.Cu-Address w0.25: U7.40 135.76,98.04 140.08,98.04 140.75,98.71 140.75,105.76 J4.1
Net-(J4-Pin_2): length 40.1
  F.Cu-Address w0.25: U7.4 108.58,102.36 108.58,108.68 110.08,110.18 133.79,110.18 J4.2
Net-(J4-Pin_3): length 14
  B.Cu-Data w0.25: U7.39 126.78,105.57 138.4,105.57 J4.3
Net-(J4-Pin_4): length 37.4
  F.Cu-Address w0.25: J4.4 131.7,109.73 110.27,109.73 109.22,108.68 109.22,104.27 U7.3
Net-(J4-Pin_5): length 14
  B.Cu-Data w0.25: J4.5 138.4,103.03 126.78,103.03 U7.38
Net-(J4-Pin_6): length 34.6
  F.Cu-Address w0.25: J4.6 129.67,109.22 110.4,109.22 109.87,108.69 109.87,106.15 U7.2
Net-(J4-Pin_7): length 14
  B.Cu-Data w0.25: U7.37 126.78,100.49 138.4,100.49 J4.7
Net-(J4-Pin_8): length 30.4
  F.Cu-Address w0.25: J4.8 127.65,108.69 112.12,108.69 U7.1
Net-(J5-Pin_1): length 41.6
  F.Cu-Address w0.25: J5.1 140.77,92.41 140.77,85.27 139,83.5 133.31,83.5 131.02,81.2 131.02,66.63 U7.22
Net-(J5-Pin_2): length 49.5
  F.Cu-Address w0.25: U7.18 117.35,70.74 126.56,70.74 127.76,71.94 127.76,91.31 130.04,93.59 J5.2
Net-(J5-Pin_3): length 34.3
  F.Cu-Address w0.25: J5.3 138.42,89.87 138.42,85.67 136.69,83.95 133.13,83.95 129.94,80.76 129.94,68.09 U7.23
Net-(J5-Pin_4): length 48.9
  F.Cu-Address w0.25: J5.4 131.07,91.05 131.06,91.06 128.21,88.21 128.21,69.85 126.56,68.2 117.35,68.2 U7.19
Net-(J5-Pin_5): length 30.5
  In2.Cu-5V w0.25: U7.24 127.51,68.2 127.51,80.63 136.57,89.68 138.42,89.68 J5.5
Net-(J5-Pin_6): length 45.4
  F.Cu-Address w0.25: U7.20 117.35,65.66 126.56,65.66 128.66,67.76 128.66,80.12 J5.6
Net-(J5-Pin_7): length 31
  In2.Cu-5V w0.25: U7.25 125.11,68.34 125.11,66.28 125.58,65.8 126.78,65.8 135.59,74.62 135.59,81.97 J5.7
Net-(J5-Pin_8): length 37
  B.Cu-Data w0.25: J5.8 138.37,84.65 139.76,84.65 141.67,82.74 141.67,72.71 128.27,59.31 U7.21
Net-(J6-Pin_1): length 30.9
  B.Cu-Data w0.25: J6.1 138.42,81.43 129.44,81.43 128.76,80.75 114.66,80.75 U7.13
Net-(J6-Pin_2): length 28.4
  B.Cu-Data w0.25: U7.14 114.95,78.5 135.3,78.5 J6.2
Net-(J6-Pin_3): length 36.3
  B.Cu-Data w0.25: U7.12 114.66,83.29 138.9,83.29 140.77,81.43 140.77,78.89 J6.3
Net-(J6-Pin_4): length 28.4
  B.Cu-Data w0.25: J6.4 135.3,75.96 114.95,75.96 U7.15
Net-(J6-Pin_5): length 41.2
  B.Cu-Data w0.25: J6.5 141.22,76.8 141.22,82.56 139.57,84.2 128.34,84.2 126.7,85.83 114.66,85.83 U7.11
Net-(J6-Pin_6): length 28.4
  B.Cu-Data w0.25: J6.6 135.3,73.42 114.95,73.42 U7.16
Net-(J6-Pin_7): length 51.7
  B.Cu-Data w0.25: U7.10 109.73,83.44 109.73,66.61 110.53,65.8 132.76,65.8 J6.7
Net-(J6-Pin_8): length 28.4
  B.Cu-Data w0.25: U7.17 114.93,70.87 135.29,70.87 J6.8
Net-(J7-Pin_1): length 27.4
  F.Cu-Address w0.25: J7.1 140.75,49.81 140.75,42.76 140.08,42.1 135.76,42.1 U10.40
Net-(J7-Pin_2): length 40.1
  F.Cu-Address w0.25: U10.4 108.58,46.41 108.58,52.73 110.08,54.23 133.79,54.23 J7.2
Net-(J7-Pin_3): length 14
  B.Cu-Data w0.25: U10.39 126.78,49.62 138.4,49.62 J7.3
Net-(J7-Pin_4): length 37.4
  F.Cu-Address w0.25: J7.4 131.7,53.78 110.27,53.78 109.22,52.73 109.22,48.32 U10.3
Net-(J7-Pin_5): length 14
  B.Cu-Data w0.25: J7.5 138.4,47.08 126.78,47.08 U10.38
Net-(J7-Pin_6): length 34.6
  F.Cu-Address w0.25: J7.6 129.67,53.27 110.4,53.27 109.87,52.75 109.87,50.21 U10.2
Net-(J7-Pin_7): length 14
  B.Cu-Data w0.25: J7.7 138.4,44.54 126.78,44.54 U10.37
Net-(J7-Pin_8): length 30.4
  F.Cu-Address w0.25: U10.1 112.12,52.75 127.65,52.75 J7.8
Net-(J8-Pin_1): length 41.6
  F.Cu-Address w0.25: U10.22 131.02,10.68 131.02,25.25 133.31,27.55 139,27.55 140.77,29.32 140.77,36.47 J8.1
Net-(J8-Pin_2): length 49.5
  F.Cu-Address w0.25: U10.18 117.35,14.79 126.56,14.79 127.76,15.99 127.76,35.36 130.04,37.64 J8.2
Net-(J8-Pin_3): length 34.3
  F.Cu-Address w0.25: U10.23 129.94,12.14 129.94,24.81 133.13,28 136.69,28 138.42,29.72 138.42,33.93 J8.3
Net-(J8-Pin_4): length 48.9
  F.Cu-Address w0.25: J8.4 131.07,35.1 131.06,35.11 128.21,32.26 128.21,13.9 126.56,12.25 117.35,12.25 U10.19
Net-(J8-Pin_5): length 30.5
  In2.Cu-5V w0.25: 126.24,10.98 127.51,12.25 127.51,24.68 136.57,33.74 138.42,33.74 139.59,32.56
Net-(J8-Pin_6): length 45.4
  F.Cu-Address w0.25: U10.20 117.35,9.71 126.56,9.71 128.66,11.81 128.66,24.17 137.05,32.56
Net-(J8-Pin_7): length 31
  In2.Cu-5V w0.25: J8.7 135.59,26.02 135.59,18.67 126.78,9.86 125.58,9.86 125.11,10.33 125.11,12.4 U10.25
Net-(J8-Pin_8): length 36.9
  B.Cu-Data w0.25: U10.21 128.2,3.36 141.67,16.83 141.67,26.79 139.76,28.7 138.37,28.7 J8.8
Net-(J9-Pin_1): length 30.9
  B.Cu-Data w0.25: J9.1 138.42,25.48 129.44,25.48 128.76,24.81 114.66,24.81 U10.13
Net-(J9-Pin_2): length 28.4
  B.Cu-Data w0.25: U10.14 114.95,22.56 135.3,22.56 J9.2
Net-(J9-Pin_3): length 36.3
  B.Cu-Data w0.25: U10.12 114.66,27.35 138.9,27.35 140.77,25.48 140.77,22.94 J9.3
Net-(J9-Pin_4): length 28.4
  B.Cu-Data w0.25: U10.15 114.95,20.02 135.3,20.02 J9.4
Net-(J9-Pin_5): length 41.2
  B.Cu-Data w0.25: U10.11 114.66,29.89 126.7,29.89 128.34,28.25 139.57,28.25 141.22,26.61 141.22,20.85 J9.5
Net-(J9-Pin_6): length 28.4
  B.Cu-Data w0.25: U10.16 114.95,17.48 135.3,17.48 J9.6
Net-(J9-Pin_7): length 51.9
  B.Cu-Data w0.25: U10.10 109.73,27.49 109.73,10.66 110.82,9.56 132.47,9.56 J9.7
Net-(J9-Pin_8): length 28.4
  B.Cu-Data w0.25: J9.8 135.29,14.92 114.93,14.92 111,10.98
Net-(R6-Pad1): length 8.9
  F.Cu-Address w0.25: R6.1 23.37,49.15 19.81,45.59 RV1.2
Net-(R8-Pad2): length 11.7
  F.Cu-Address w0.25: SW2.2 11.25,55.25 11.25,65.1 R8.2
Net-(U2-QH'): length 16
  F.Cu-Address w0.25: v1(49.53,94.36) 49.4,94.49 U2.9 ; v1(59.69,100.71) 61.12,100.71
  In2.Cu-5V w0.25: v1(59.69,100.71) 55.88,100.71 v1(49.53,94.36)
Net-(U4-Y2): length 11.3
  F.Cu-Address w0.25: 87.06,41.4 87.76,42.1 87.76,44 88.96,45.2 91.01,45.2 92.9,43.31 U8.13
Net-(U4-Y3): length 9.1
  F.Cu-Address w0.25: U8.12 92.9,42.04 91,40.13 U4.12
Net-(U4-Y4): length 8.6
  F.Cu-Address w0.25: U4.11 94.3,38.86 U8.9
Net-(U4-Y5): length 8.7
  F.Cu-Address w0.25: U8.8 92.72,36.96 91.99,37.69 91.09,37.69 91,37.59 U4.10
Net-(U4-Y6): length 7.5
  F.Cu-Address w0.25: U4.9 85.98,36.32 85.09,37.21 85.09,37.77 85.54,38.23 U8.6
Net-(U4-Y7): length 11.3
  F.Cu-Address w0.25: U8.5 85.54,39.5 83.64,37.59 U4.7
Net-(U6-Pad4): length 90.1
  F.Cu-Address w0.25: U6.4 98.42,94.49 97.66,93.73 v1(97.66,83.57) ; U9.10 v1(52.23,45.34)
  In1.Cu-GND w0.25: v1(97.66,83.57) 97.66,62.49 96.23,61.06 96.23,59.15 82.42,45.34 68.33,45.34 67.25,44.27 58.48,44.27 57.4,45.34 v1(52.23,45.34)
Net-(U8-Pad1): length 5.3
  F.Cu-Address w0.25: U8.4 89.01,40.77 88.68,41.09 88.68,43.72 89.54,44.58
Net-(U8-Pad10): length 11.1
  F.Cu-Address w0.25: U8.10 96.14,39.5 96.52,39.88 96.52,42.29 96.15,42.66 90.63,42.66 U8.2
Net-(U9-Pad3): length 1.3
  F.Cu-Address w0.25: U9.3 U9.4
Net-(U11-D+): length 5.8
  F.Cu-Address w0.25: R17.2 14.02,95.45 U11.4
Net-(U11-D-): length 5.7
  F.Cu-Address w0.25: U11.3 16.89,96.27 v1(15.11,96.27) ; v1(13.21,94.62) R19.2
  B.Cu-Data w0.25: v1(13.21,94.62) 14.86,96.27 v1(15.11,96.27)
Net-(U11-PB0): length 16.4
  F.Cu-Address w0.25: R21.2 15.75,106.05 v1(15.75,98.93) ; v1(15.75,92.33) 16.83,92.33 U11.8
  B.Cu-Data w0.25: v1(15.75,98.93) 15.84,98.84 15.84,92.42 v1(15.75,92.33)
Net-(U11-PD5): length 20.3
  F.Cu-Address w0.25: v1(18.92,102.36) 18.54,102.36 R22.2 ; v1(23.62,93.22) 23.62,91.94 26.61,88.95 U11.22
  B.Cu-Data w0.25: v1(18.92,102.36) 18.93,102.36 23.62,97.68 v1(23.62,93.22)
Net-(U11-UCAP): length 3.8
  F.Cu-Address w0.25: U11.6 14.89,93.85 C11.1
Net-(U11-XTAL1): length 9.8
  F.Cu-Address w0.25: U11.17 22.61,84.98 CLK3.2
  B.Cu-Data w0.25: CLK3.2 25.04,85.7 C9.1
Net-(U11-XTAL2): length 9.5
  F.Cu-Address w0.25: CLK3.1 21.81,84.2 U11.16
  B.Cu-Data w0.25: CLK3.1 20.16,85.66 C10.1

## Copper pours and planes (outline as drawn; the poured copper is in the pictures)
+5V on In2.Cu-5V: 149.23,113.92 0,113.92 0,0 149.23,0
GND on F.Cu-Address, B.Cu-Data, In1.Cu-GND: 149.23,113.92 0,113.92 0,0 149.23,0

## Text on the board
F.Silkscreen: Timer | Manual | Oscillator | ROM | RAM | Small External | Large External | IO1 | IO2 | Non-Maskable Interrupt | Interrupt | Machine Cycle One | Refresh | Wait | Halt | Bus Request | Bus Acknowledge | Write | Read | Memory Request | IO Request | Reset | Chip Select | Control | 0 | Data | 7 | Address | 15 | +5V | GND | A4 | A5 | A6 | A7 | B4 | B5 | B6 | B7 | C4 | C5 | C6 | C7 | z80 Main Board Rev.2 / Designed by: / Tristan van de Weg / Marijn Vollenberg | A0 | A1 | A2 | A3 | B0 | B1 | B2 | B3 | C0 | C1 | C2 | C3 | IO 1 | PWR | IO 2
